# KiCad board UniversalTKL.kicad_pcb (continued)
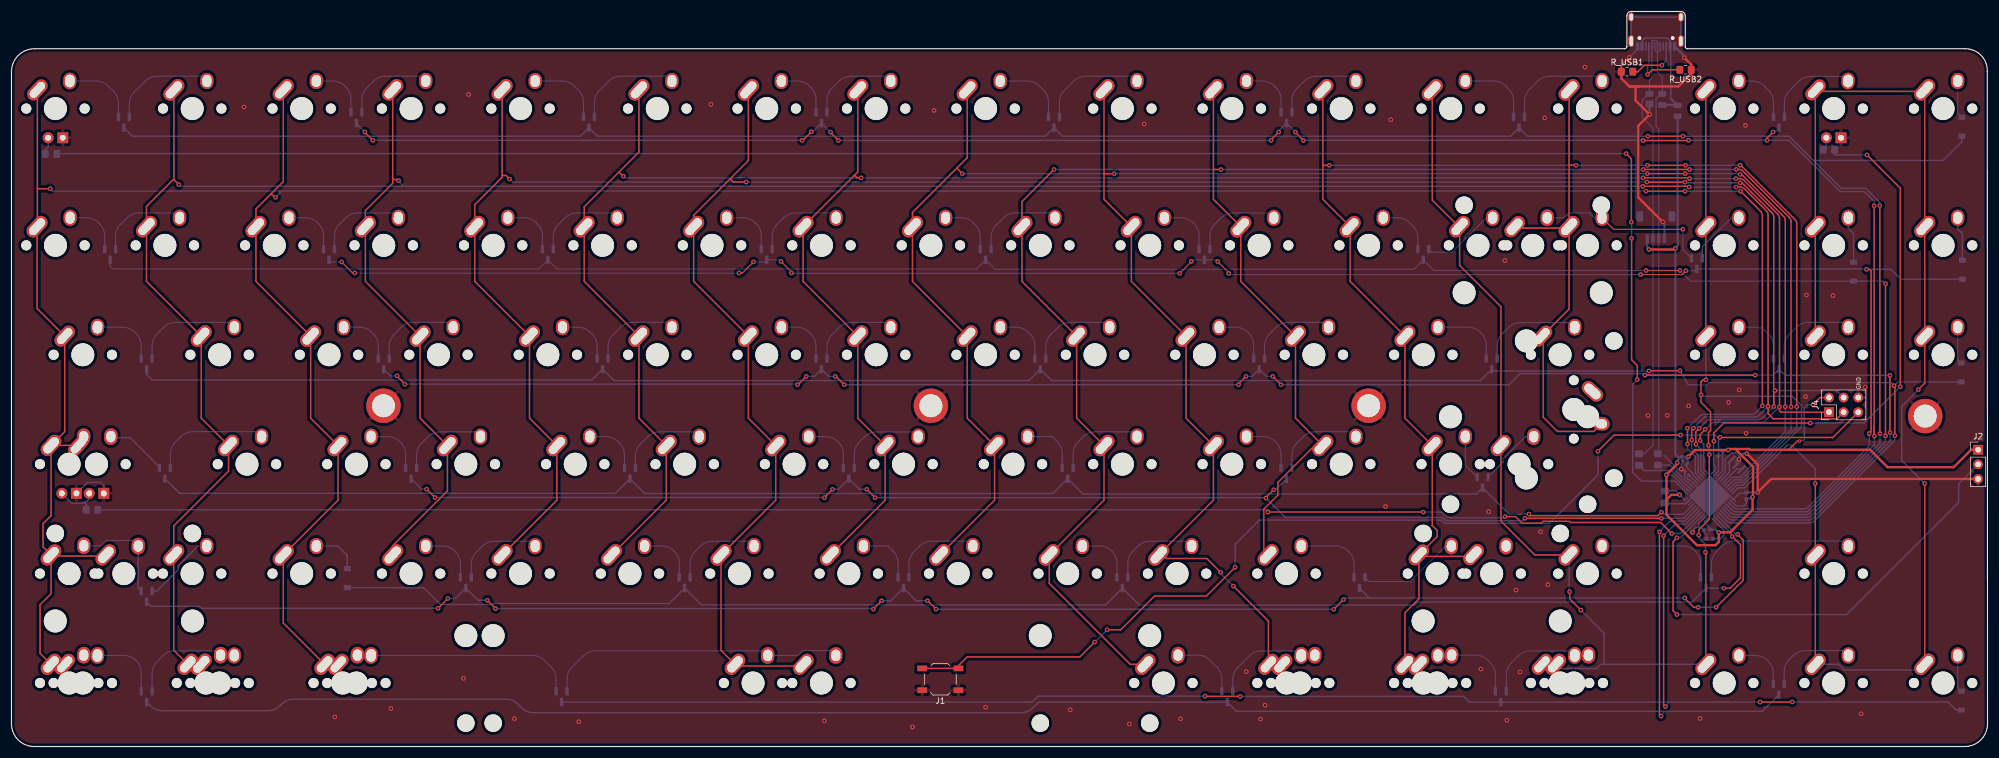
[diagram p0: board, top side]
## Routing (per net, layer and track width the routed paths; a pad name or vN(x,y) marks a point on that pad's centre or on a via; arc(x,y) is an arc through that point) (continued)
Net-(D21-Pad1): length 10.1
  Bottom w0.2: MX41.2 127.35,92.06 arc(128.5,91.83) 129.47,91.18 129.65,91 arc(130.3,90.03) 130.53,88.88 D21.1
Net-(D21-Pad2): length 15.8
  Bottom w0.2: MX47.2 142.72,92.89 136.51,92.89 arc(135.36,92.66) 134.39,92.01 133.31,90.93 arc(132.66,89.96) 132.43,88.81 D21.2
Net-(D22-Pad1): length 10
  Bottom w0.2: MX42.2 136.75,73.01 arc(137.9,72.78) 138.87,72.13 139.18,71.83 arc(139.83,70.85) 140.05,69.71 D22.1
Net-(D22-Pad2): length 15.7
  Bottom w0.2: MX48.2 152.25,73.83 146.21,73.83 arc(145.06,73.6) 144.09,72.95 142.83,71.69 arc(142.18,70.72) 141.95,69.57 D22.2
Net-(D23-Pad1): length 10.1
  Bottom w0.2: D23.1 144.82,50.88 arc(144.59,52.03) 143.94,53 143.86,53.08 arc(142.89,53.73) 141.74,53.96 MX43.2
Net-(D23-Pad2): length 15.9
  Bottom w0.2: MX49.2 157.04,54.76 150.58,54.76 arc(149.43,54.53) 148.46,53.88 147.59,53.02 arc(146.94,52.04) 146.72,50.9 D23.2
Net-(D24-Pad1): length 10.3
  Bottom w0.2: MX50.2 152.59,34.91 153.46,34.04 arc(154.11,33.07) 154.34,31.92 D24.1
Net-(D24-Pad2): length 15.9
  Bottom w0.2: D24.2 156.24,31.82 arc(156.47,32.97) 157.12,33.94 158.04,34.86 arc(159.01,35.51) 160.16,35.74 166.53,35.74 MX55.2
Net-(D25-Pad1): length 10
  Bottom w0.2: D25.1 168.63,88.77 arc(168.4,89.92) 167.75,90.89 167.46,91.18 arc(166.49,91.83) 165.34,92.06 MX52.2
Net-(D25-Pad2): length 15.8
  Bottom w0.2: MX56.2 180.8,92.91 174.8,92.91 arc(173.65,92.68) 172.68,92.03 171.41,90.76 arc(170.76,89.79) 170.53,88.64 D25.2
Net-(D26-Pad1): length 10
  Bottom w0.2: D26.1 178.15,69.74 arc(177.93,70.88) 177.28,71.86 177,72.13 arc(176.03,72.78) 174.88,73.01 MX53.2
Net-(D26-Pad2): length 15.7
  Bottom w0.2: MX57.2 190.34,73.84 184.3,73.84 arc(183.15,73.61) 182.18,72.96 180.93,71.71 arc(180.28,70.74) 180.05,69.59 D26.2
Net-(D27-Pad1): length 10.3
  Bottom w0.2: MX54.2 181.16,53.96 182.04,53.08 arc(182.69,52.11) 182.92,50.96 D27.1
Net-(D27-Pad2): length 16
  Bottom w0.2: MX58.2 195.11,54.79 188.69,54.79 arc(187.54,54.56) 186.57,53.91 185.69,53.04 arc(185.04,52.06) 184.82,50.92 D27.2
Net-(D28-Pad1): length 13
  Bottom w0.2: D28.1 180.53,112.17 arc(180.31,113.32) 179.66,114.3 178.96,114.99 arc(177.99,115.64) 176.84,115.87 MX51.2
Net-(D28-Pad2): length 18.7
  Bottom w0.2: 182.43,109.63 182.43,112.14 arc(182.66,113.29) 183.31,114.27 184.87,115.82 arc(185.84,116.47) 186.99,116.7 195.11,116.7 MX62.2
Net-(D29-Pad1): length 11.9
  Bottom w0.2: 203.08,15.91 206.53,15.91 arc(207.68,15.68) 208.65,15.03 209.82,13.86 arc(210.47,12.89) 210.7,11.74 D29.1
Net-(D29-Pad2): length 19.2
  Bottom w0.2: D29.2 212.6,11.66 arc(212.83,12.8) 213.48,13.78 215.46,15.76 arc(216.43,16.41) 217.58,16.64 223.73,16.64 MX67.2 226.85,15.86 MX61.2
Net-(D30-Pad1): length 10.2
  Bottom w0.2: D30.1 192.44,31.9 arc(192.21,33.05) 191.56,34.02 191.55,34.03 arc(190.58,34.68) 189.43,34.91 MX59.2
Net-(D30-Pad2): length 16
  Bottom w0.2: MX66.2 204.63,35.74 198.22,35.74 arc(197.07,35.51) 196.1,34.86 195.22,33.98 arc(194.57,33.01) 194.34,31.86 D30.2
Net-(D31-Pad1): length 10.1
  Bottom w0.2: D31.1 206.73,88.93 arc(206.5,90.08) 205.85,91.05 205.72,91.18 arc(204.75,91.83) 203.6,92.06 MX63.2
Net-(D31-Pad2): length 15.9
  Bottom w0.2: D31.2 208.63,88.85 arc(208.86,90) 209.51,90.97 210.55,92.01 arc(211.52,92.66) 212.67,92.89 218.92,92.89 MX69.2
Net-(D32-Pad1): length 10.1
  Bottom w0.2: MX64.2 213.07,73.01 arc(214.22,72.78) 215.19,72.13 215.38,71.95 arc(216.03,70.97) 216.25,69.83 D32.1
Net-(D32-Pad2): length 15.8
  Bottom w0.2: MX70.2 228.44,73.84 222.25,73.84 arc(221.1,73.61) 220.13,72.96 219.03,71.86 arc(218.38,70.89) 218.15,69.74 D32.2
Net-(D33-Pad1): length 10.1
  Bottom w0.2: MX65.2 217.9,53.96 arc(219.05,53.73) 220.02,53.08 220.14,52.96 arc(220.79,51.99) 221.02,50.84 D33.1
Net-(D33-Pad2): length 15.9
  Bottom w0.2: D33.2 222.92,50.75 arc(223.14,51.89) 223.79,52.87 224.86,53.93 arc(225.83,54.58) 226.98,54.81 233.19,54.81 MX71.2
Net-(D34-Pad1): length 13.3
  Bottom w0.2: MX72.2 230.57,34.91 arc(231.72,34.68) 232.69,34.03 232.84,33.88 arc(233.49,32.91) 233.72,31.76 D34.1
Net-(D34-Pad2): length 17.9
  Bottom w0.2: MX78.2 249.65,34.91 243.48,28.73 236.34,28.73 D34.2
Net-(D35-Pad1): length 10
  Bottom w0.2: MX68.2 217.73,115.87 arc(218.88,115.64) 219.85,114.99 220.14,114.7 arc(220.79,113.73) 221.02,112.58 D35.1
Net-(D35-Pad2): length 15.8
  Bottom w0.2: D35.2 222.92,112.49 arc(223.14,113.63) 223.79,114.61 225.01,115.82 arc(225.98,116.47) 227.13,116.7 233.21,116.7 MX74.2
Net-(D36-Pad1): length 9.9
  Bottom w0.2: MX75.2 241.27,92.06 arc(242.42,91.83) 243.39,91.18 243.95,90.62 arc(244.6,89.65) 244.83,88.5 D36.1
Net-(D36-Pad2): length 13.9
  Bottom w0.2: MX83.2 256.78,92.06 250.77,86.04 247.29,86.04 D36.2
Net-(D37-Pad1): length 7.9
  Bottom w0.2: D37.1 253.09,48.98 MX77.2
Net-(D37-Pad2): length 11.2
  Bottom w0.2: MX84.2 263.55,53.96 259.69,50.09 259.69,49.56 D37.2
Net-(D38-Pad1): length 14.8
  Bottom w0.2: MX79.2 250.66,15.86 MX73.2 254.87,15.91 arc(256.02,15.68) 256.99,15.03 257.44,14.58 arc(258.09,13.6) 258.32,12.46 D38.1
Net-(D38-Pad2): length 19.7
  Bottom w0.2: D38.2 260.22,12.43 arc(260.45,13.58) 261.1,14.55 262.3,15.75 arc(263.27,16.4) 264.42,16.63 271.37,16.63 MX86.2 274.47,15.86 MX81.2
Net-(D39-Pad1): length 12.5
  Bottom w0.2: MX76.2 253.58,73.01 arc(254.73,72.78) 255.7,72.13 255.86,71.98 arc(256.51,71) 256.73,69.85 D39.1
Net-(D39-Pad2): length 18.2
  Bottom w0.2: D39.2 258.63,69.72 arc(258.86,70.87) 259.51,71.85 260.6,72.93 arc(261.57,73.58) 262.72,73.81 271.34,73.81 MX90.2
Net-(D40-Pad1): length 13.1
  Bottom w0.2: D40.1 261.5,112.37 arc(261.27,113.52) 260.62,114.49 260.12,114.99 arc(259.15,115.64) 258,115.87 MX82.2
Net-(D40-Pad2): length 18.8
  Bottom w0.2: MX88.2 276.06,116.71 267.8,116.71 arc(266.65,116.48) 265.68,115.83 264.28,114.43 arc(263.63,113.45) 263.4,112.31 D40.2
Net-(D41-Pad1): length 21.3
  Bottom w0.2: D41.1 294.04,31.87 arc(293.81,33.02) 293.16,33.99 293.12,34.03 arc(292.15,34.68) 291,34.91 MX85.2
Net-(D41-Pad2): length 28.7
  Bottom w0.2: D41.2 295.94,31.84 arc(296.17,32.99) 296.82,33.96 297.75,34.89 arc(298.72,35.54) 299.87,35.77 318.9,35.77 MX98.2
Net-(D42-Pad1): length 30.8
  Top w0.2: v1(290.96,90.04) 278.91,90.04 276.9,92.05 MX87.2
  Bottom w0.2: MX89.2 270.29,92.06 271.13,92.89 274.71,92.89 275.55,92.06 MX87.2 ; D42.1 290.96,86.51 v1(290.96,90.04)
Net-(D42-Pad2): length 10.4
  Bottom w0.2: MX92.2 299.4,92.06 294.35,87.01 D42.2
Net-(D43-Pad1): length 10.6
  Bottom w0.2: D43.1 306.74,112.16 arc(306.51,113.31) 305.86,114.28 305.15,114.99 arc(304.18,115.64) 303.03,115.87 MX91.2
Net-(D43-Pad2): length 16.2
  Bottom w0.2: MX95.2 318.92,116.66 313.24,116.66 arc(312.09,116.43) 311.12,115.78 309.52,114.18 arc(308.87,113.21) 308.64,112.06 D43.2
Net-(D44-Pad1): length 10
  Bottom w0.2: MX93.2 303.47,73.01 arc(304.62,72.78) 305.59,72.13 305.86,71.86 arc(306.51,70.89) 306.74,69.74 D44.1
Net-(D44-Pad2): length 15.8
  Bottom w0.2: MX97.2 318.93,73.84 312.79,73.84 arc(311.64,73.61) 310.67,72.96 309.52,71.81 arc(308.87,70.84) 308.64,69.69 D44.2
Net-(D45-Pad1): length 9.6
  Bottom w0.2: MX94.2 303.56,15.86 arc(304.71,15.63) 305.68,14.98 305.83,14.83 arc(306.48,13.86) 306.71,12.71 D45.1
Net-(D45-Pad2): length 15.6
  Bottom w0.2: D45.2 308.61,13.02 arc(308.84,14.17) 309.49,15.14 310.17,15.82 arc(311.14,16.47) 312.29,16.7 318.92,16.7 MX99.2
Net-(D46-Pad2): length 8.1
  Bottom w0.25: MX96.2 319.77,90.24 320.67,89.33 D46.2
Net-(D47-Pad2): length 6.6
  Bottom w0.2: D47.2 338.82,110.28 MX100.2
Net-(D48-Pad2): length 7.7
  Bottom w0.25: MX101.2 338.82,90.11 339.62,89.3 D48.2
Net-(D49-Pad2): length 6.5
  Bottom w0.2: MX102.2 338.82,67.36 D49.2
Net-(D50-Pad2): length 6.5
  Bottom w0.2: MX103.2 338.82,10.28 D50.2
Net-(R_DATA1-Pad2): length 7.5
  Bottom w0.25: R_DATA1.2 288.73,48.98 291.68,46.03 291.85,46.03 U1.4
Net-(R_DATA2-Pad2): length 10.6
  Bottom w0.25: R_DATA2.2 284.25,48.04 289,48.04 291.46,45.58 291.59,45.58 U1.3
Net-(R_HWB1-Pad1): length 5.6
  Bottom w0.25: 296.18,36.19 297.5,36.19 298.07,36.76 298.07,37.69 U1.33
Net-(R_USB1-Pad2): length 9.6
  Top w0.25: 281.76,117.48 283.13,117.48 284.27,118.62 v1(287.32,118.62)
  Bottom w0.25: v1(287.32,118.62) 288.05,119.35 USB1.10
Net-(R_USB2-Pad2): length 11.4
  Top w0.25: 290.92,117.82 285.64,117.82 v1(284.82,117)
  Bottom w0.25: USB1.4 285.05,118.74 284.82,118.51 v1(284.82,117)
Net-(U1-Pad16): length 4.3
  Bottom w0.25: Y1.3 299.08,49.53 299.08,47.76 U1.16
Net-(U1-Pad17): length 4
  Bottom w0.25: 301.09,48.33 300.36,48.33 U1.17
unconnected-(USB1-Pad13): length 17
  Bottom w0.25: USB1.13 USB1.13 USB1.13 USB1.13

## Copper pours and planes (outline as drawn; the poured copper is in the pictures)
GND on Top: 348.3,-5.39 -8.89,-5.39 -8.89,129.55 348.3,129.55
GND on Bottom: 348.3,-5.39 -8.89,-5.39 -8.89,129.55 348.3,129.55

## Text on the board
B.Silkscreen: GND
F.Silkscreen: GND
